# Altium PCB AD9361_EXT.PcbDoc (part 8 of 9)
Units mil, origin at the board's own origin, x right, y up, seen from the top; angles counter-clockwise.
Board outline 3145.03 x 1955.03 mil, 2 copper layers (Top Layer, Bottom Layer); 53 components, 59 nets, 286 pads, 253 vias.
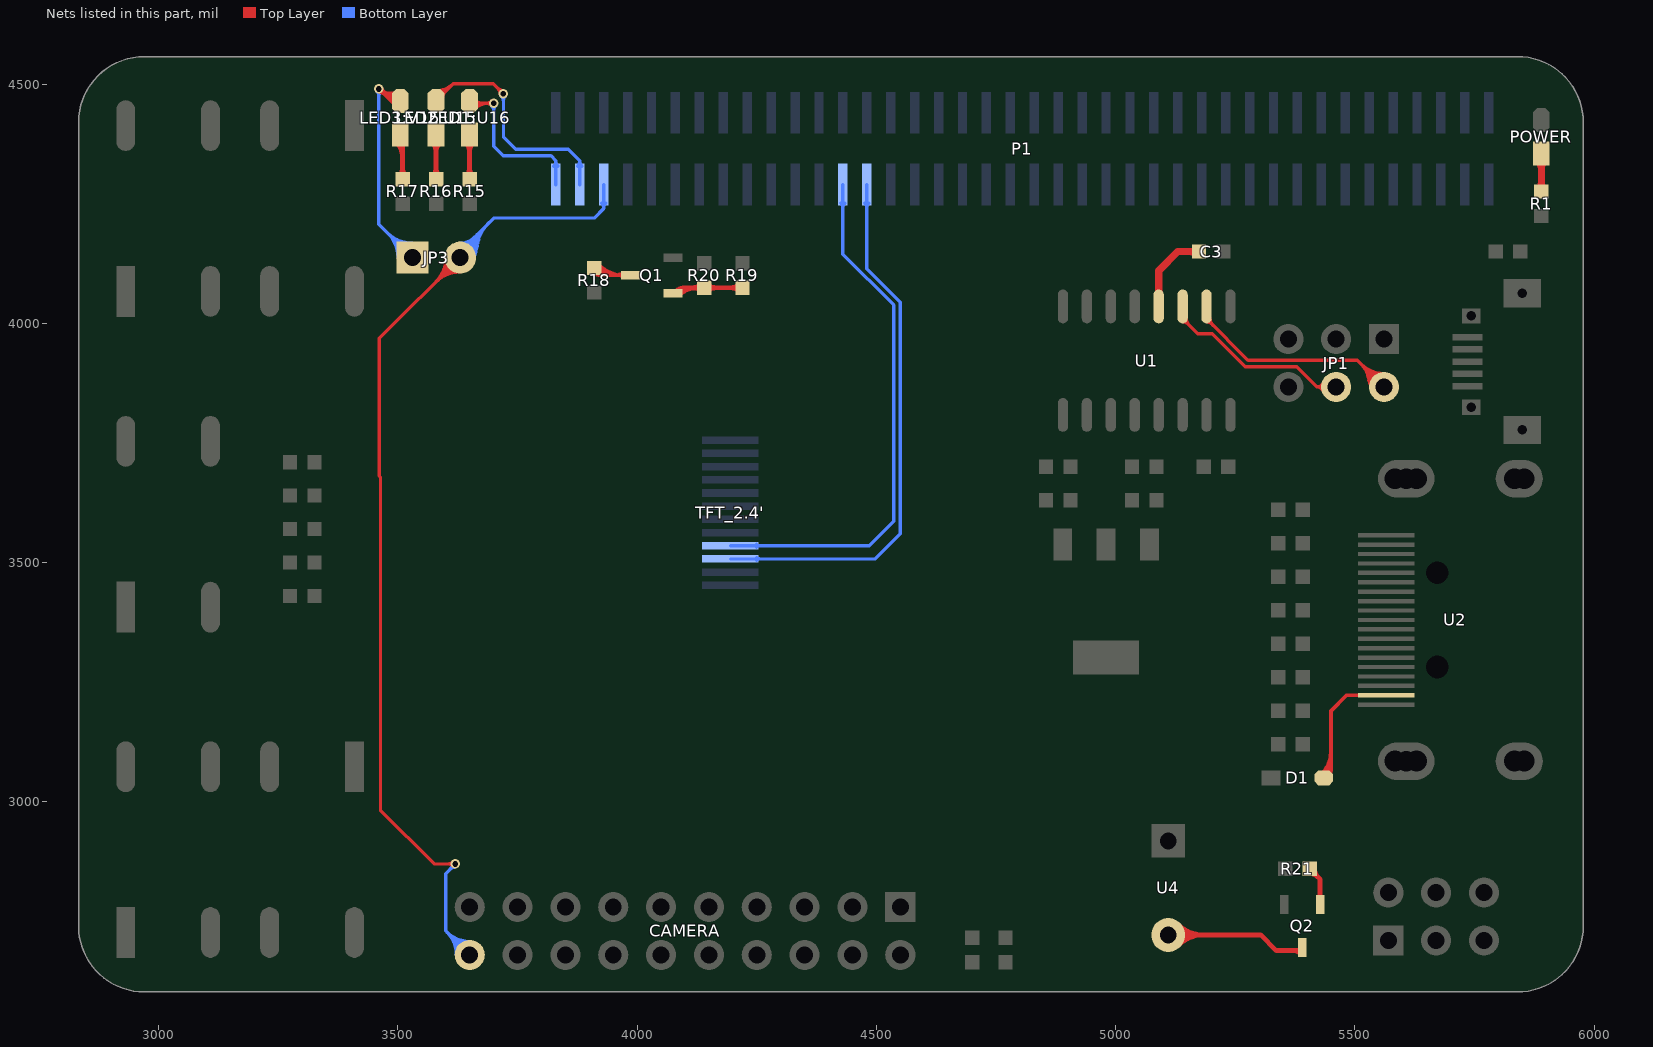
[diagram p8: the nets of this part, all layers, seen from the top]

## Via types
v1: diameter 20, hole 12, Top Layer to Bottom Layer, tented both sides, 253 vias

## Nets (pads, with @x,y where several pads share a name; then routed paths per layer and width w, separated by ;. In a path a pad name is that pad's centre, name@x,y a point inside that pad or via, vN(x,y) a via of type N, cw(c..) or ccw(c..) an arc to the next point about the centre after c; other vN are vias at no path point) (continued)
LCD_SCL: P1.26 TFT_2.4'.9 | length 1272.5
  Bottom Layer w7: TFT_2.4'.9@4195,3535.12 4485.12,3535.12 4536,3586 4536,4038.4 4430,4144.4 P1.26@4430,4290 ; TFT_2.4'.9@4249.27,3532.03 cw(c4256.74,3524.56) 4256.74,3535.12 ; TFT_2.4'.9@4249.27,3532.03 cw(c4256.74,3524.56) 4256.74,3535.12 ; TFT_2.4'.9@4249.27,3532.03 cw(c4256.74,3524.56) 4256.74,3535.12 ; TFT_2.4'.9@4249.27,3532.03 cw(c4256.74,3524.56) 4256.74,3535.12 ; TFT_2.4'.9@4249.27,3538.21 ccw(c4256.74,3545.68) 4256.74,3535.12 ; TFT_2.4'.9@4249.27,3538.21 ccw(c4256.74,3545.68) 4256.74,3535.12 ; TFT_2.4'.9@4249.27,3538.21 ccw(c4256.74,3545.68) 4256.74,3535.12 ; TFT_2.4'.9@4249.27,3538.21 ccw(c4256.74,3545.68) 4256.74,3535.12 ; P1.26@4425.52,4251.66 cw(c4414.69,4240.83) 4430,4240.83 ; P1.26@4425.52,4251.66 cw(c4414.69,4240.83) 4430,4240.83 ; P1.26@4425.52,4251.66 cw(c4414.69,4240.83) 4430,4240.83 ; P1.26@4425.52,4251.66 cw(c4414.69,4240.83) 4430,4240.83 ; 4430,4240.83 cw(c4445.31,4240.83) P1.26@4434.48,4251.66 ; 4430,4240.83 cw(c4445.31,4240.83) P1.26@4434.48,4251.66 ; 4430,4240.83 cw(c4445.31,4240.83) P1.26@4434.48,4251.66 ; 4430,4240.83 cw(c4445.31,4240.83) P1.26@4434.48,4251.66
LCD_SDA: P1.28 TFT_2.4'.10 | length 1298.4
  Bottom Layer w7: TFT_2.4'.10@4195,3507.56 4497.76,3507.56 4550,3559.8 4550,4044.2 4480,4114.2 P1.28@4480,4290 ; TFT_2.4'.10@4249.27,3504.47 cw(c4256.74,3497) 4256.74,3507.56 ; TFT_2.4'.10@4249.27,3504.47 cw(c4256.74,3497) 4256.74,3507.56 ; TFT_2.4'.10@4249.27,3504.47 cw(c4256.74,3497) 4256.74,3507.56 ; TFT_2.4'.10@4249.27,3504.47 cw(c4256.74,3497) 4256.74,3507.56 ; TFT_2.4'.10@4249.27,3510.65 ccw(c4256.74,3518.12) 4256.74,3507.56 ; TFT_2.4'.10@4249.27,3510.65 ccw(c4256.74,3518.12) 4256.74,3507.56 ; TFT_2.4'.10@4249.27,3510.65 ccw(c4256.74,3518.12) 4256.74,3507.56 ; TFT_2.4'.10@4249.27,3510.65 ccw(c4256.74,3518.12) 4256.74,3507.56 ; P1.28@4475.52,4251.66 cw(c4464.69,4240.83) 4480,4240.83 ; P1.28@4475.52,4251.66 cw(c4464.69,4240.83) 4480,4240.83 ; P1.28@4475.52,4251.66 cw(c4464.69,4240.83) 4480,4240.83 ; P1.28@4475.52,4251.66 cw(c4464.69,4240.83) 4480,4240.83 ; 4480,4240.83 cw(c4495.31,4240.83) P1.28@4484.48,4251.66 ; 4480,4240.83 cw(c4495.31,4240.83) P1.28@4484.48,4251.66 ; 4480,4240.83 cw(c4495.31,4240.83) P1.28@4484.48,4251.66 ; 4480,4240.83 cw(c4495.31,4240.83) P1.28@4484.48,4251.66
LED1: LED1:U16.2 P1.2 | length 913.3
  Top Layer w7: LED1:U16.2@3654.75,4460 v1(3700,4460) ; LED1:U16.2@3654.69,4452.56 cw(c3672.67,4434.58) 3672.67,4460 ; LED1:U16.2@3654.69,4452.56 cw(c3672.67,4434.58) 3672.67,4460 ; LED1:U16.2@3654.69,4452.56 cw(c3672.67,4434.58) 3672.67,4460 ; LED1:U16.2@3654.69,4452.56 cw(c3672.67,4434.58) 3672.67,4460 ; LED1:U16.2@3659.64,4447.61 cw(c3689.57,4417.68) 3689.57,4460 ; LED1:U16.2@3659.64,4447.61 cw(c3689.57,4417.68) 3689.57,4460 ; LED1:U16.2@3659.64,4447.61 cw(c3689.57,4417.68) 3689.57,4460 ; LED1:U16.2@3659.64,4447.61 cw(c3689.57,4417.68) 3689.57,4460 ; LED1:U16.2@3659.64,4467.4 ccw(c3677.52,4485.28) 3677.52,4460 ; LED1:U16.2@3659.64,4467.4 ccw(c3677.52,4485.28) 3677.52,4460 ; LED1:U16.2@3659.64,4467.4 ccw(c3677.52,4485.28) 3677.52,4460 ; LED1:U16.2@3659.64,4467.4 ccw(c3677.52,4485.28) 3677.52,4460 ; 3684.31,4460 cw(c3684.31,4444.31) v1@3695.4,4455.4 ; 3684.31,4460 ccw(c3684.31,4475.69) v1@3695.4,4464.6 ; 3684.31,4460 cw(c3684.31,4444.31) v1@3695.4,4455.4 ; 3684.31,4460 ccw(c3684.31,4475.69) v1@3695.4,4464.6 ; 3684.31,4460 cw(c3684.31,4444.31) v1@3695.4,4455.4 ; 3684.31,4460 ccw(c3684.31,4475.69) v1@3695.4,4464.6 ; 3684.31,4460 cw(c3684.31,4444.31) v1@3695.4,4455.4 ; 3684.31,4460 ccw(c3684.31,4475.69) v1@3695.4,4464.6
  Bottom Layer w7: v1(3700,4460) 3700,4370 3720,4350 3820,4350 3830,4340 P1.2@3830,4290 ; v1@3695.4,4455.4 cw(c3684.31,4444.31) 3700,4444.31 ; v1@3695.4,4455.4 cw(c3684.31,4444.31) 3700,4444.31 ; v1@3695.4,4455.4 cw(c3684.31,4444.31) 3700,4444.31 ; v1@3695.4,4455.4 cw(c3684.31,4444.31) 3700,4444.31 ; 3700,4444.31 cw(c3715.69,4444.31) v1@3704.6,4455.4 ; 3700,4444.31 cw(c3715.69,4444.31) v1@3704.6,4455.4 ; 3700,4444.31 cw(c3715.69,4444.31) v1@3704.6,4455.4 ; 3700,4444.31 cw(c3715.69,4444.31) v1@3704.6,4455.4 ; P1.2@3825.52,4328.34 ccw(c3814.69,4339.17) 3830,4339.17 ; P1.2@3825.52,4328.34 ccw(c3814.69,4339.17) 3830,4339.17 ; P1.2@3825.52,4328.34 ccw(c3814.69,4339.17) 3830,4339.17 ; P1.2@3825.52,4328.34 ccw(c3814.69,4339.17) 3830,4339.17 ; 3830,4339.17 ccw(c3845.31,4339.17) P1.2@3834.48,4328.34 ; 3830,4339.17 ccw(c3845.31,4339.17) P1.2@3834.48,4328.34 ; 3830,4339.17 ccw(c3845.31,4339.17) P1.2@3834.48,4328.34 ; 3830,4339.17 ccw(c3845.31,4339.17) P1.2@3834.48,4328.34
LED2: LED2:U15.2 P1.4 | length 1394.7
  Top Layer w7: LED2:U15.2@3579.74,4465 3615.24,4500.5 ; v1(3720,4480) 3699.5,4500.5 3615.24,4500.5 ; LED2:U15.2@3579.93,4479.5 ccw(c3580.8,4511.92) 3603.73,4488.99 ; LED2:U15.2@3579.93,4479.5 ccw(c3580.8,4511.92) 3603.73,4488.99 ; LED2:U15.2@3579.93,4479.5 ccw(c3580.8,4511.92) 3603.73,4488.99 ; LED2:U15.2@3579.93,4479.5 ccw(c3580.8,4511.92) 3603.73,4488.99 ; LED2:U15.2@3580.12,4486.5 ccw(c3581.39,4534.35) 3615.24,4500.5 ; LED2:U15.2@3580.12,4486.5 ccw(c3581.39,4534.35) 3615.24,4500.5 ; LED2:U15.2@3580.12,4486.5 ccw(c3581.39,4534.35) 3615.24,4500.5 ; LED2:U15.2@3580.12,4486.5 ccw(c3581.39,4534.35) 3615.24,4500.5 ; LED2:U15.2@3586.63,4471.24 cw(c3602.49,4468.32) 3598.73,4484.01 ; LED2:U15.2@3586.63,4471.24 cw(c3602.49,4468.32) 3598.73,4484.01 ; LED2:U15.2@3586.63,4471.24 cw(c3602.49,4468.32) 3598.73,4484.01 ; LED2:U15.2@3586.63,4471.24 cw(c3602.49,4468.32) 3598.73,4484.01 ; LED2:U15.2@3586.63,4471.24 cw(c3602.49,4468.32) 3598.73,4484.01 ; LED2:U15.2@3586.63,4471.24 cw(c3602.49,4468.32) 3598.73,4484.01 ; LED2:U15.2@3587.06,4484.44 ccw(c3592.67,4493.57) LED2:U15.2@3595.16,4483.15 ; LED2:U15.2@3587.06,4484.44 ccw(c3592.67,4493.57) LED2:U15.2@3595.16,4483.15 ; LED2:U15.2@3587.06,4484.44 ccw(c3592.67,4493.57) LED2:U15.2@3595.16,4483.15 ; LED2:U15.2@3587.06,4484.44 ccw(c3592.67,4493.57) LED2:U15.2@3595.16,4483.15 ; LED2:U15.2@3587.06,4484.44 ccw(c3592.67,4493.57) LED2:U15.2@3595.16,4483.15 ; LED2:U15.2@3587.06,4484.44 ccw(c3592.67,4493.57) LED2:U15.2@3595.16,4483.15 ; LED2:U15.2@3593.74,4472.5 cw(c3609.44,4472.5) 3598.34,4483.6 ; LED2:U15.2@3593.74,4472.5 cw(c3609.44,4472.5) 3598.34,4483.6 ; LED2:U15.2@3593.74,4472.5 cw(c3609.44,4472.5) 3598.34,4483.6 ; LED2:U15.2@3593.74,4472.5 cw(c3609.44,4472.5) 3598.34,4483.6 ; 3708.9,4491.1 cw(c3697.81,4480) v1@3713.5,4480 ; 3708.9,4491.1 ccw(c3720,4502.19) v1@3720,4486.5 ; 3708.9,4491.1 cw(c3697.81,4480) v1@3713.5,4480 ; 3708.9,4491.1 ccw(c3720,4502.19) v1@3720,4486.5 ; 3708.9,4491.1 cw(c3697.81,4480) v1@3713.5,4480 ; 3708.9,4491.1 ccw(c3720,4502.19) v1@3720,4486.5 ; 3708.9,4491.1 cw(c3697.81,4480) v1@3713.5,4480 ; 3708.9,4491.1 ccw(c3720,4502.19) v1@3720,4486.5 ; 3711.52,4487.41 ccw(c3722.1,4490.24) v1@3719.9,4479.51 ; 3711.52,4487.41 ccw(c3722.1,4490.24) v1@3719.9,4479.51 ; 3711.52,4487.41 ccw(c3722.1,4490.24) v1@3719.9,4479.51 ; 3711.52,4487.41 ccw(c3722.1,4490.24) v1@3719.9,4479.51 ; 3711.52,4487.41 ccw(c3722.1,4490.24) v1@3719.9,4479.51 ; 3711.52,4487.41 ccw(c3722.1,4490.24) v1@3719.9,4479.51 ; 3712.59,4488.48 cw(c3709.76,4477.9) v1@3720.49,4480.1 ; 3712.59,4488.48 cw(c3709.76,4477.9) v1@3720.49,4480.1 ; 3712.59,4488.48 cw(c3709.76,4477.9) v1@3720.49,4480.1 ; 3712.59,4488.48 cw(c3709.76,4477.9) v1@3720.49,4480.1 ; 3712.59,4488.48 cw(c3709.76,4477.9) v1@3720.49,4480.1 ; 3712.59,4488.48 cw(c3709.76,4477.9) v1@3720.49,4480.1
  Bottom Layer w7: v1@3720.5,4479.5 3720.5,4389.5 3746,4364 3856,4364 3880,4340 P1.4@3880,4290 ; v1@3715.4,4475.4 cw(c3703.1,4463.1) 3720.5,4463.1 ; v1@3715.4,4475.4 cw(c3703.1,4463.1) 3720.5,4463.1 ; v1@3715.4,4475.4 cw(c3703.1,4463.1) 3720.5,4463.1 ; v1@3715.4,4475.4 cw(c3703.1,4463.1) 3720.5,4463.1 ; 3720.5,4465.51 cw(c3734.49,4465.51) v1@3724.6,4475.4 ; 3720.5,4465.51 cw(c3734.49,4465.51) v1@3724.6,4475.4 ; 3720.5,4465.51 cw(c3734.49,4465.51) v1@3724.6,4475.4 ; 3720.5,4465.51 cw(c3734.49,4465.51) v1@3724.6,4475.4 ; P1.4@3875.52,4328.34 ccw(c3864.69,4339.17) 3880,4339.17 ; P1.4@3875.52,4328.34 ccw(c3864.69,4339.17) 3880,4339.17 ; P1.4@3875.52,4328.34 ccw(c3864.69,4339.17) 3880,4339.17 ; P1.4@3875.52,4328.34 ccw(c3864.69,4339.17) 3880,4339.17 ; 3880,4339.17 ccw(c3895.31,4339.17) P1.4@3884.48,4328.34 ; 3880,4339.17 ccw(c3895.31,4339.17) P1.4@3884.48,4328.34 ; 3880,4339.17 ccw(c3895.31,4339.17) P1.4@3884.48,4328.34 ; 3880,4339.17 ccw(c3895.31,4339.17) P1.4@3884.48,4328.34
LED3: CAMERA.20 JP3.2 P1.6 | length 8092.1
  Top Layer w7: v1(3620,2870) 3575.46,2870 3463.41,2982.04 3463.41,3678.76 3461.18,3680.99 3461.18,3968.59 JP3.2@3630,4137.4 ; 3578.85,4086.25 cw(c3630,4035.1) JP3.2@3630,4107.44 ; 3578.85,4086.25 ccw(c3527.69,4137.4) JP3.2@3600.04,4137.4 ; 3578.85,4086.25 cw(c3630,4035.1) JP3.2@3630,4107.44 ; 3578.85,4086.25 ccw(c3527.69,4137.4) JP3.2@3600.04,4137.4 ; 3578.85,4086.25 cw(c3630,4035.1) JP3.2@3630,4107.44 ; 3578.85,4086.25 ccw(c3527.69,4137.4) JP3.2@3600.04,4137.4 ; 3578.85,4086.25 cw(c3630,4035.1) JP3.2@3630,4107.44 ; 3578.85,4086.25 ccw(c3527.69,4137.4) JP3.2@3600.04,4137.4 ; 3590.8,4098.2 cw(c3630,4059) JP3.2@3630,4114.44 ; 3590.8,4098.2 ccw(c3551.59,4137.4) JP3.2@3607.04,4137.4 ; 3590.8,4098.2 cw(c3630,4059) JP3.2@3630,4114.44 ; 3590.8,4098.2 ccw(c3551.59,4137.4) JP3.2@3607.04,4137.4 ; 3590.8,4098.2 cw(c3630,4059) JP3.2@3630,4114.44 ; 3590.8,4098.2 ccw(c3551.59,4137.4) JP3.2@3607.04,4137.4 ; 3590.8,4098.2 cw(c3630,4059) JP3.2@3630,4114.44 ; 3590.8,4098.2 ccw(c3551.59,4137.4) JP3.2@3607.04,4137.4 ; 3599.82,4110.47 cw(c3632.47,4101.72) JP3.2@3630.14,4135.44 ; 3599.82,4110.47 cw(c3632.47,4101.72) JP3.2@3630.14,4135.44 ; 3599.82,4110.47 cw(c3632.47,4101.72) JP3.2@3630.14,4135.44 ; 3599.82,4110.47 cw(c3632.47,4101.72) JP3.2@3630.14,4135.44 ; 3599.82,4110.47 cw(c3632.47,4101.72) JP3.2@3630.14,4135.44 ; 3599.82,4110.47 cw(c3632.47,4101.72) JP3.2@3630.14,4135.44 ; 3602.75,4110.15 cw(c3630,4082.9) JP3.2@3630,4121.44 ; 3602.75,4110.15 ccw(c3575.49,4137.4) JP3.2@3614.04,4137.4 ; 3602.75,4110.15 cw(c3630,4082.9) JP3.2@3630,4121.44 ; 3602.75,4110.15 ccw(c3575.49,4137.4) JP3.2@3614.04,4137.4 ; 3602.75,4110.15 cw(c3630,4082.9) JP3.2@3630,4121.44 ; 3602.75,4110.15 ccw(c3575.49,4137.4) JP3.2@3614.04,4137.4 ; 3602.75,4110.15 cw(c3630,4082.9) JP3.2@3630,4121.44 ; 3602.75,4110.15 ccw(c3575.49,4137.4) JP3.2@3614.04,4137.4 ; 3603.06,4107.22 ccw(c3594.31,4139.88) JP3.2@3628.04,4137.54 ; 3603.06,4107.22 ccw(c3594.31,4139.88) JP3.2@3628.04,4137.54 ; 3603.06,4107.22 ccw(c3594.31,4139.88) JP3.2@3628.04,4137.54 ; 3603.06,4107.22 ccw(c3594.31,4139.88) JP3.2@3628.04,4137.54 ; 3603.06,4107.22 ccw(c3594.31,4139.88) JP3.2@3628.04,4137.54 ; 3603.06,4107.22 ccw(c3594.31,4139.88) JP3.2@3628.04,4137.54 ; 3604.31,2870 cw(c3604.31,2854.31) v1@3615.4,2865.4 ; 3604.31,2870 ccw(c3604.31,2885.69) v1@3615.4,2874.6 ; 3604.31,2870 cw(c3604.31,2854.31) v1@3615.4,2865.4 ; 3604.31,2870 ccw(c3604.31,2885.69) v1@3615.4,2874.6 ; 3604.31,2870 cw(c3604.31,2854.31) v1@3615.4,2865.4 ; 3604.31,2870 ccw(c3604.31,2885.69) v1@3615.4,2874.6 ; 3604.31,2870 cw(c3604.31,2854.31) v1@3615.4,2865.4 ; 3604.31,2870 ccw(c3604.31,2885.69) v1@3615.4,2874.6
  Bottom Layer w7: v1(3620,2870) 3600,2850 3600,2730 CAMERA.20@3650,2680 ; JP3.2@3630,4137.4 3630,4150 3700,4220 3910,4220 3930,4240 P1.6@3930,4290 ; 3602.21,2727.79 cw(c3554.42,2680) CAMERA.20@3622,2680 ; 3602.21,2727.79 ccw(c3650,2775.58) CAMERA.20@3650,2708 ; 3602.21,2727.79 cw(c3554.42,2680) CAMERA.20@3622,2680 ; 3602.21,2727.79 ccw(c3650,2775.58) CAMERA.20@3650,2708 ; 3602.21,2727.79 cw(c3554.42,2680) CAMERA.20@3622,2680 ; 3602.21,2727.79 ccw(c3650,2775.58) CAMERA.20@3650,2708 ; 3602.21,2727.79 cw(c3554.42,2680) CAMERA.20@3622,2680 ; 3602.21,2727.79 ccw(c3650,2775.58) CAMERA.20@3650,2708 ; 3608.9,2858.9 cw(c3620,2847.81) v1@3620,2863.5 ; 3608.9,2858.9 ccw(c3597.81,2870) v1@3613.5,2870 ; 3608.9,2858.9 cw(c3620,2847.81) v1@3620,2863.5 ; 3608.9,2858.9 ccw(c3597.81,2870) v1@3613.5,2870 ; 3608.9,2858.9 cw(c3620,2847.81) v1@3620,2863.5 ; 3608.9,2858.9 ccw(c3597.81,2870) v1@3613.5,2870 ; 3608.9,2858.9 cw(c3620,2847.81) v1@3620,2863.5 ; 3608.9,2858.9 ccw(c3597.81,2870) v1@3613.5,2870 ; 3614.16,2715.84 cw(c3578.32,2680) CAMERA.20@3629,2680 ; 3614.16,2715.84 ccw(c3650,2751.68) CAMERA.20@3650,2701 ; 3614.16,2715.84 cw(c3578.32,2680) CAMERA.20@3629,2680 ; 3614.16,2715.84 ccw(c3650,2751.68) CAMERA.20@3650,2701 ; 3614.16,2715.84 cw(c3578.32,2680) CAMERA.20@3629,2680 ; 3614.16,2715.84 ccw(c3650,2751.68) CAMERA.20@3650,2701 ; 3614.16,2715.84 cw(c3578.32,2680) CAMERA.20@3629,2680 ; 3614.16,2715.84 ccw(c3650,2751.68) CAMERA.20@3650,2701 ; 3626.11,2703.89 cw(c3602.21,2680) CAMERA.20@3636,2680 ; 3626.11,2703.89 ccw(c3650,2727.79) CAMERA.20@3650,2694 ; 3626.11,2703.89 cw(c3602.21,2680) CAMERA.20@3636,2680 ; 3626.11,2703.89 ccw(c3650,2727.79) CAMERA.20@3650,2694 ; 3626.11,2703.89 cw(c3602.21,2680) CAMERA.20@3636,2680 ; 3626.11,2703.89 ccw(c3650,2727.79) CAMERA.20@3650,2694 ; 3626.11,2703.89 cw(c3602.21,2680) CAMERA.20@3636,2680 ; 3626.11,2703.89 ccw(c3650,2727.79) CAMERA.20@3650,2694 ; JP3.2@3627.81,4146.09 ccw(c3615.15,4196.29) 3665.15,4182.89 ; JP3.2@3627.81,4146.09 ccw(c3615.15,4196.29) 3665.15,4182.89 ; JP3.2@3627.81,4146.09 ccw(c3615.15,4196.29) 3665.15,4182.89 ; JP3.2@3627.81,4146.09 ccw(c3615.15,4196.29) 3665.15,4182.89 ; JP3.2@3627.81,4146.09 ccw(c3615.15,4196.29) 3665.15,4182.89 ; JP3.2@3627.81,4146.09 ccw(c3615.15,4196.29) 3665.15,4182.89 ; JP3.2@3629,4146.31 ccw(c3625.72,4175.56) 3654.15,4167.94 ; JP3.2@3629,4146.31 ccw(c3625.72,4175.56) 3654.15,4167.94 ; JP3.2@3629,4146.31 ccw(c3625.72,4175.56) 3654.15,4167.94 ; JP3.2@3629,4146.31 ccw(c3625.72,4175.56) 3654.15,4167.94 ; JP3.2@3629,4146.31 ccw(c3625.72,4175.56) 3654.15,4167.94 ; JP3.2@3629,4146.31 ccw(c3625.72,4175.56) 3654.15,4167.94 ; JP3.2@3629.52,4139.31 ccw(c3618.48,4183.06) 3662.07,4171.38 ; JP3.2@3629.52,4139.31 ccw(c3618.48,4183.06) 3662.07,4171.38 ; JP3.2@3629.52,4139.31 ccw(c3618.48,4183.06) 3662.07,4171.38 ; JP3.2@3629.52,4139.31 ccw(c3618.48,4183.06) 3662.07,4171.38 ; JP3.2@3629.52,4139.31 ccw(c3618.48,4183.06) 3662.07,4171.38 ; JP3.2@3629.52,4139.31 ccw(c3618.48,4183.06) 3662.07,4171.38 ; JP3.2@3630,4160.37 ccw(c3630,4185.39) 3647.7,4167.7 ; JP3.2@3630,4160.37 ccw(c3630,4185.39) 3647.7,4167.7 ; JP3.2@3630,4160.37 ccw(c3630,4185.39) 3647.7,4167.7 ; JP3.2@3630,4160.37 ccw(c3630,4185.39) 3647.7,4167.7 ; JP3.2@3630,4167.37 ccw(c3630,4209.29) 3659.65,4179.65 ; JP3.2@3630,4167.37 ccw(c3630,4209.29) 3659.65,4179.65 ; JP3.2@3630,4167.37 ccw(c3630,4209.29) 3659.65,4179.65 ; JP3.2@3630,4167.37 ccw(c3630,4209.29) 3659.65,4179.65 ; JP3.2@3631.23,4132.52 ccw(c3621.82,4169.82) 3658.98,4159.87 ; JP3.2@3631.23,4132.52 ccw(c3621.82,4169.82) 3658.98,4159.87 ; JP3.2@3631.23,4132.52 ccw(c3621.82,4169.82) 3658.98,4159.87 ; JP3.2@3631.23,4132.52 ccw(c3621.82,4169.82) 3658.98,4159.87 ; JP3.2@3631.23,4132.52 ccw(c3621.82,4169.82) 3658.98,4159.87 ; JP3.2@3631.23,4132.52 ccw(c3621.82,4169.82) 3658.98,4159.87 ; JP3.2@3631.8,4132.7 ccw(c3610.13,4189.21) 3668.99,4175.13 ; JP3.2@3631.8,4132.7 ccw(c3610.13,4189.21) 3668.99,4175.13 ; JP3.2@3631.8,4132.7 ccw(c3610.13,4189.21) 3668.99,4175.13 ; JP3.2@3631.8,4132.7 ccw(c3610.13,4189.21) 3668.99,4175.13 ; JP3.2@3631.8,4132.7 ccw(c3610.13,4189.21) 3668.99,4175.13 ; JP3.2@3631.8,4132.7 ccw(c3610.13,4189.21) 3668.99,4175.13 ; JP3.2@3634.31,4126.16 ccw(c3615.9,4174.17) 3665.9,4162.2 ; JP3.2@3634.31,4126.16 ccw(c3615.9,4174.17) 3665.9,4162.2 ; JP3.2@3634.31,4126.16 ccw(c3615.9,4174.17) 3665.9,4162.2 ; JP3.2@3634.31,4126.16 ccw(c3615.9,4174.17) 3665.9,4162.2 ; JP3.2@3634.31,4126.16 ccw(c3615.9,4174.17) 3665.9,4162.2 ; JP3.2@3634.31,4126.16 ccw(c3615.9,4174.17) 3665.9,4162.2 ; JP3.2@3636.82,4119.63 ccw(c3621.67,4159.12) 3662.81,4149.28 ; JP3.2@3636.82,4119.63 ccw(c3621.67,4159.12) 3662.81,4149.28 ; JP3.2@3636.82,4119.63 ccw(c3621.67,4159.12) 3662.81,4149.28 ; JP3.2@3636.82,4119.63 ccw(c3621.67,4159.12) 3662.81,4149.28 ; JP3.2@3636.82,4119.63 ccw(c3621.67,4159.12) 3662.81,4149.28 ; JP3.2@3636.82,4119.63 ccw(c3621.67,4159.12) 3662.81,4149.28 ; JP3.2@3638.96,4137.4 cw(c3691.02,4137.4) 3654.21,4174.21 ; JP3.2@3638.96,4137.4 cw(c3691.02,4137.4) 3654.21,4174.21 ; JP3.2@3638.96,4137.4 cw(c3691.02,4137.4) 3654.21,4174.21 ; JP3.2@3638.96,4137.4 cw(c3691.02,4137.4) 3654.21,4174.21 ; JP3.2@3645.96,4137.4 cw(c3714.92,4137.4) 3666.16,4186.16 ; JP3.2@3645.96,4137.4 cw(c3714.92,4137.4) 3666.16,4186.16 ; JP3.2@3645.96,4137.4 cw(c3714.92,4137.4) 3666.16,4186.16 ; JP3.2@3645.96,4137.4 cw(c3714.92,4137.4) 3666.16,4186.16 ; JP3.2@3652.96,4137.4 cw(c3738.82,4137.4) 3678.11,4198.11 ; JP3.2@3652.96,4137.4 cw(c3738.82,4137.4) 3678.11,4198.11 ; JP3.2@3652.96,4137.4 cw(c3738.82,4137.4) 3678.11,4198.11 ; JP3.2@3652.96,4137.4 cw(c3738.82,4137.4) 3678.11,4198.11 ; 3653.98,4167.33 ccw(c3673,4162.23) JP3.2@3655.95,4152.38 ; 3653.98,4167.33 ccw(c3673,4162.23) JP3.2@3655.95,4152.38 ; 3653.98,4167.33 ccw(c3673,4162.23) JP3.2@3655.95,4152.38 ; 3653.98,4167.33 ccw(c3673,4162.23) JP3.2@3655.95,4152.38 ; 3653.98,4167.33 ccw(c3673,4162.23) JP3.2@3655.95,4152.38 ; 3653.98,4167.33 ccw(c3673,4162.23) JP3.2@3655.95,4152.38 ; JP3.2@3659.96,4137.4 cw(c3762.72,4137.4) 3690.06,4210.06 ; JP3.2@3659.96,4137.4 cw(c3762.72,4137.4) 3690.06,4210.06 ; JP3.2@3659.96,4137.4 cw(c3762.72,4137.4) 3690.06,4210.06 ; JP3.2@3659.96,4137.4 cw(c3762.72,4137.4) 3690.06,4210.06 ; P1.6@3925.52,4251.66 cw(c3914.69,4240.83) 3930,4240.83 ; P1.6@3925.52,4251.66 cw(c3914.69,4240.83) 3930,4240.83 ; P1.6@3925.52,4251.66 cw(c3914.69,4240.83) 3930,4240.83 ; P1.6@3925.52,4251.66 cw(c3914.69,4240.83) 3930,4240.83 ; 3930,4240.83 cw(c3945.31,4240.83) P1.6@3934.48,4251.66 ; 3930,4240.83 cw(c3945.31,4240.83) P1.6@3934.48,4251.66 ; 3930,4240.83 cw(c3945.31,4240.83) P1.6@3934.48,4251.66 ; 3930,4240.83 cw(c3945.31,4240.83) P1.6@3934.48,4251.66
LED3_: JP3.1 LED3:V15.2 | length 3080.7
  Top Layer w7: LED3:V15.2@3505,4465 3485,4465 ; v1@3459.51,4489.9 ccw(c3470.24,4492.1) 3467.41,4481.52 ; v1@3459.51,4489.9 ccw(c3470.24,4492.1) 3467.41,4481.52 ; v1@3459.51,4489.9 ccw(c3470.24,4492.1) 3467.41,4481.52 ; v1@3459.51,4489.9 ccw(c3470.24,4492.1) 3467.41,4481.52 ; v1@3459.51,4489.9 ccw(c3470.24,4492.1) 3467.41,4481.52 ; v1@3459.51,4489.9 ccw(c3470.24,4492.1) 3467.41,4481.52 ; v1@3460,4483.5 cw(c3460,4467.81) 3471.1,4478.9 ; v1@3460,4483.5 cw(c3460,4467.81) 3471.1,4478.9 ; v1@3460,4483.5 cw(c3460,4467.81) 3471.1,4478.9 ; v1@3460,4483.5 cw(c3460,4467.81) 3471.1,4478.9 ; v1(3460,4490) ccw(c3482.57,4512.57) LED3:V15.2@3498.16,4484.72 ; v1(3460,4490) ccw(c3482.57,4512.57) LED3:V15.2@3498.16,4484.72 ; v1(3460,4490) ccw(c3482.57,4512.57) LED3:V15.2@3498.16,4484.72 ; v1(3460,4490) ccw(c3482.57,4512.57) LED3:V15.2@3498.16,4484.72 ; v1(3460,4490) 3485,4465 ; v1@3460.1,4490.49 cw(c3457.9,4479.76) 3468.48,4482.59 ; v1@3460.1,4490.49 cw(c3457.9,4479.76) 3468.48,4482.59 ; v1@3460.1,4490.49 cw(c3457.9,4479.76) 3468.48,4482.59 ; v1@3460.1,4490.49 cw(c3457.9,4479.76) 3468.48,4482.59 ; v1@3460.1,4490.49 cw(c3457.9,4479.76) 3468.48,4482.59 ; v1@3460.1,4490.49 cw(c3457.9,4479.76) 3468.48,4482.59 ; v1@3461.68,4483.72 cw(c3463.63,4476.46) 3467.39,4482.97 ; v1@3461.68,4483.72 cw(c3465.74,4468.57) 3473.59,4482.15 ; v1@3461.68,4483.72 cw(c3463.63,4476.46) 3467.39,4482.97 ; v1@3461.68,4483.72 cw(c3465.74,4468.57) 3473.59,4482.15 ; v1@3461.68,4483.72 cw(c3463.63,4476.46) 3467.39,4482.97 ; v1@3461.68,4483.72 cw(c3465.74,4468.57) 3473.59,4482.15 ; v1@3461.68,4483.72 cw(c3463.63,4476.46) 3467.39,4482.97 ; v1@3461.68,4483.72 cw(c3465.74,4468.57) 3473.59,4482.15 ; v1@3461.68,4483.72 cw(c3463.63,4476.46) 3467.39,4482.97 ; v1@3461.68,4483.72 cw(c3465.74,4468.57) 3473.59,4482.15 ; v1@3461.68,4483.72 cw(c3463.63,4476.46) 3467.39,4482.97 ; v1@3461.68,4483.72 cw(c3465.74,4468.57) 3473.59,4482.15 ; v1@3461.68,4483.72 cw(c3463.63,4476.46) 3467.39,4482.97 ; v1@3461.68,4483.72 cw(c3465.74,4468.57) 3473.59,4482.15 ; v1@3461.68,4483.72 cw(c3463.63,4476.46) 3467.39,4482.97 ; v1@3461.68,4483.72 cw(c3465.74,4468.57) 3473.59,4482.15 ; v1@3461.68,4483.72 cw(c3463.63,4476.46) 3467.39,4482.97 ; v1@3461.68,4483.72 cw(c3465.74,4468.57) 3473.59,4482.15 ; v1@3461.68,4483.72 cw(c3463.63,4476.46) 3467.39,4482.97 ; v1@3461.68,4483.72 cw(c3465.74,4468.57) 3473.59,4482.15 ; v1@3466.28,4491.68 ccw(c3489.33,4497.86) 3477.4,4477.19 ; v1@3466.28,4491.68 ccw(c3481.44,4495.74) 3473.59,4482.15 ; v1@3466.28,4491.68 ccw(c3489.33,4497.86) 3477.4,4477.19 ; v1@3466.28,4491.68 ccw(c3481.44,4495.74) 3473.59,4482.15 ; v1@3466.28,4491.68 ccw(c3489.33,4497.86) 3477.4,4477.19 ; v1@3466.28,4491.68 ccw(c3481.44,4495.74) 3473.59,4482.15 ; v1@3466.28,4491.68 ccw(c3489.33,4497.86) 3477.4,4477.19 ; v1@3466.28,4491.68 ccw(c3481.44,4495.74) 3473.59,4482.15 ; v1@3466.28,4491.68 ccw(c3489.33,4497.86) 3477.4,4477.19 ; v1@3466.28,4491.68 ccw(c3481.44,4495.74) 3473.59,4482.15 ; v1@3466.28,4491.68 ccw(c3489.33,4497.86) 3477.4,4477.19 ; v1@3466.28,4491.68 ccw(c3481.44,4495.74) 3473.59,4482.15 ; v1@3466.28,4491.68 ccw(c3489.33,4497.86) 3477.4,4477.19 ; v1@3466.28,4491.68 ccw(c3481.44,4495.74) 3473.59,4482.15 ; v1@3466.28,4491.68 ccw(c3489.33,4497.86) 3477.4,4477.19 ; v1@3466.28,4491.68 ccw(c3481.44,4495.74) 3473.59,4482.15 ; v1@3466.28,4491.68 ccw(c3489.33,4497.86) 3477.4,4477.19 ; v1@3466.28,4491.68 ccw(c3481.44,4495.74) 3473.59,4482.15 ; v1@3466.28,4491.68 ccw(c3489.33,4497.86) 3477.4,4477.19 ; v1@3466.28,4491.68 ccw(c3481.44,4495.74) 3473.59,4482.15 ; v1@3466.5,4490 ccw(c3482.19,4490) 3471.1,4478.9 ; v1@3466.5,4490 ccw(c3482.19,4490) 3471.1,4478.9 ; v1@3466.5,4490 ccw(c3482.19,4490) 3471.1,4478.9 ; v1@3466.5,4490 ccw(c3482.19,4490) 3471.1,4478.9 ; v1@3466.54,4483.46 ccw(c3487.27,4504.18) LED3:V15.2@3501.58,4478.61 ; v1@3466.54,4483.46 ccw(c3487.27,4504.18) LED3:V15.2@3501.58,4478.61 ; v1@3466.54,4483.46 ccw(c3487.27,4504.18) LED3:V15.2@3501.58,4478.61 ; v1@3466.54,4483.46 ccw(c3487.27,4504.18) LED3:V15.2@3501.58,4478.61 ; 3473.08,4476.92 ccw(c3491.96,4495.8) LED3:V15.2@3505,4472.5 ; 3473.08,4476.92 ccw(c3491.96,4495.8) LED3:V15.2@3505,4472.5 ; 3473.08,4476.92 ccw(c3491.96,4495.8) LED3:V15.2@3505,4472.5 ; 3473.08,4476.92 ccw(c3491.96,4495.8) LED3:V15.2@3505,4472.5 ; 3479.62,4470.38 ccw(c3496.65,4487.41) LED3:V15.2@3508.42,4466.39 ; 3479.62,4470.38 ccw(c3496.65,4487.41) LED3:V15.2@3508.42,4466.39 ; 3479.62,4470.38 ccw(c3496.65,4487.41) LED3:V15.2@3508.42,4466.39 ; 3479.62,4470.38 ccw(c3496.65,4487.41) LED3:V15.2@3508.42,4466.39 ; 3485,4465 cw(c3485,4457.72) LED3:V15.2@3491.85,4460.21 ; 3485,4465 ccw(c3485,4472.28) LED3:V15.2@3491.85,4469.79 ; 3485,4465 cw(c3485,4457.72) LED3:V15.2@3491.85,4460.21 ; 3485,4465 ccw(c3485,4472.28) LED3:V15.2@3491.85,4469.79 ; 3485,4465 cw(c3485,4457.72) LED3:V15.2@3491.85,4460.21 ; 3485,4465 ccw(c3485,4472.28) LED3:V15.2@3491.85,4469.79 ; 3485,4465 cw(c3485,4457.72) LED3:V15.2@3491.85,4460.21 ; 3485,4465 ccw(c3485,4472.28) LED3:V15.2@3491.85,4469.79 ; 3486.16,4463.84 ccw(c3501.35,4479.02) LED3:V15.2@3511.84,4460.28 ; 3486.16,4463.84 ccw(c3501.35,4479.02) LED3:V15.2@3511.84,4460.28 ; 3486.16,4463.84 ccw(c3501.35,4479.02) LED3:V15.2@3511.84,4460.28 ; 3486.16,4463.84 ccw(c3501.35,4479.02) LED3:V15.2@3511.84,4460.28